# Altium PCB 3-as-manufactured.pcbdoc (part 1 of 12) (continued)
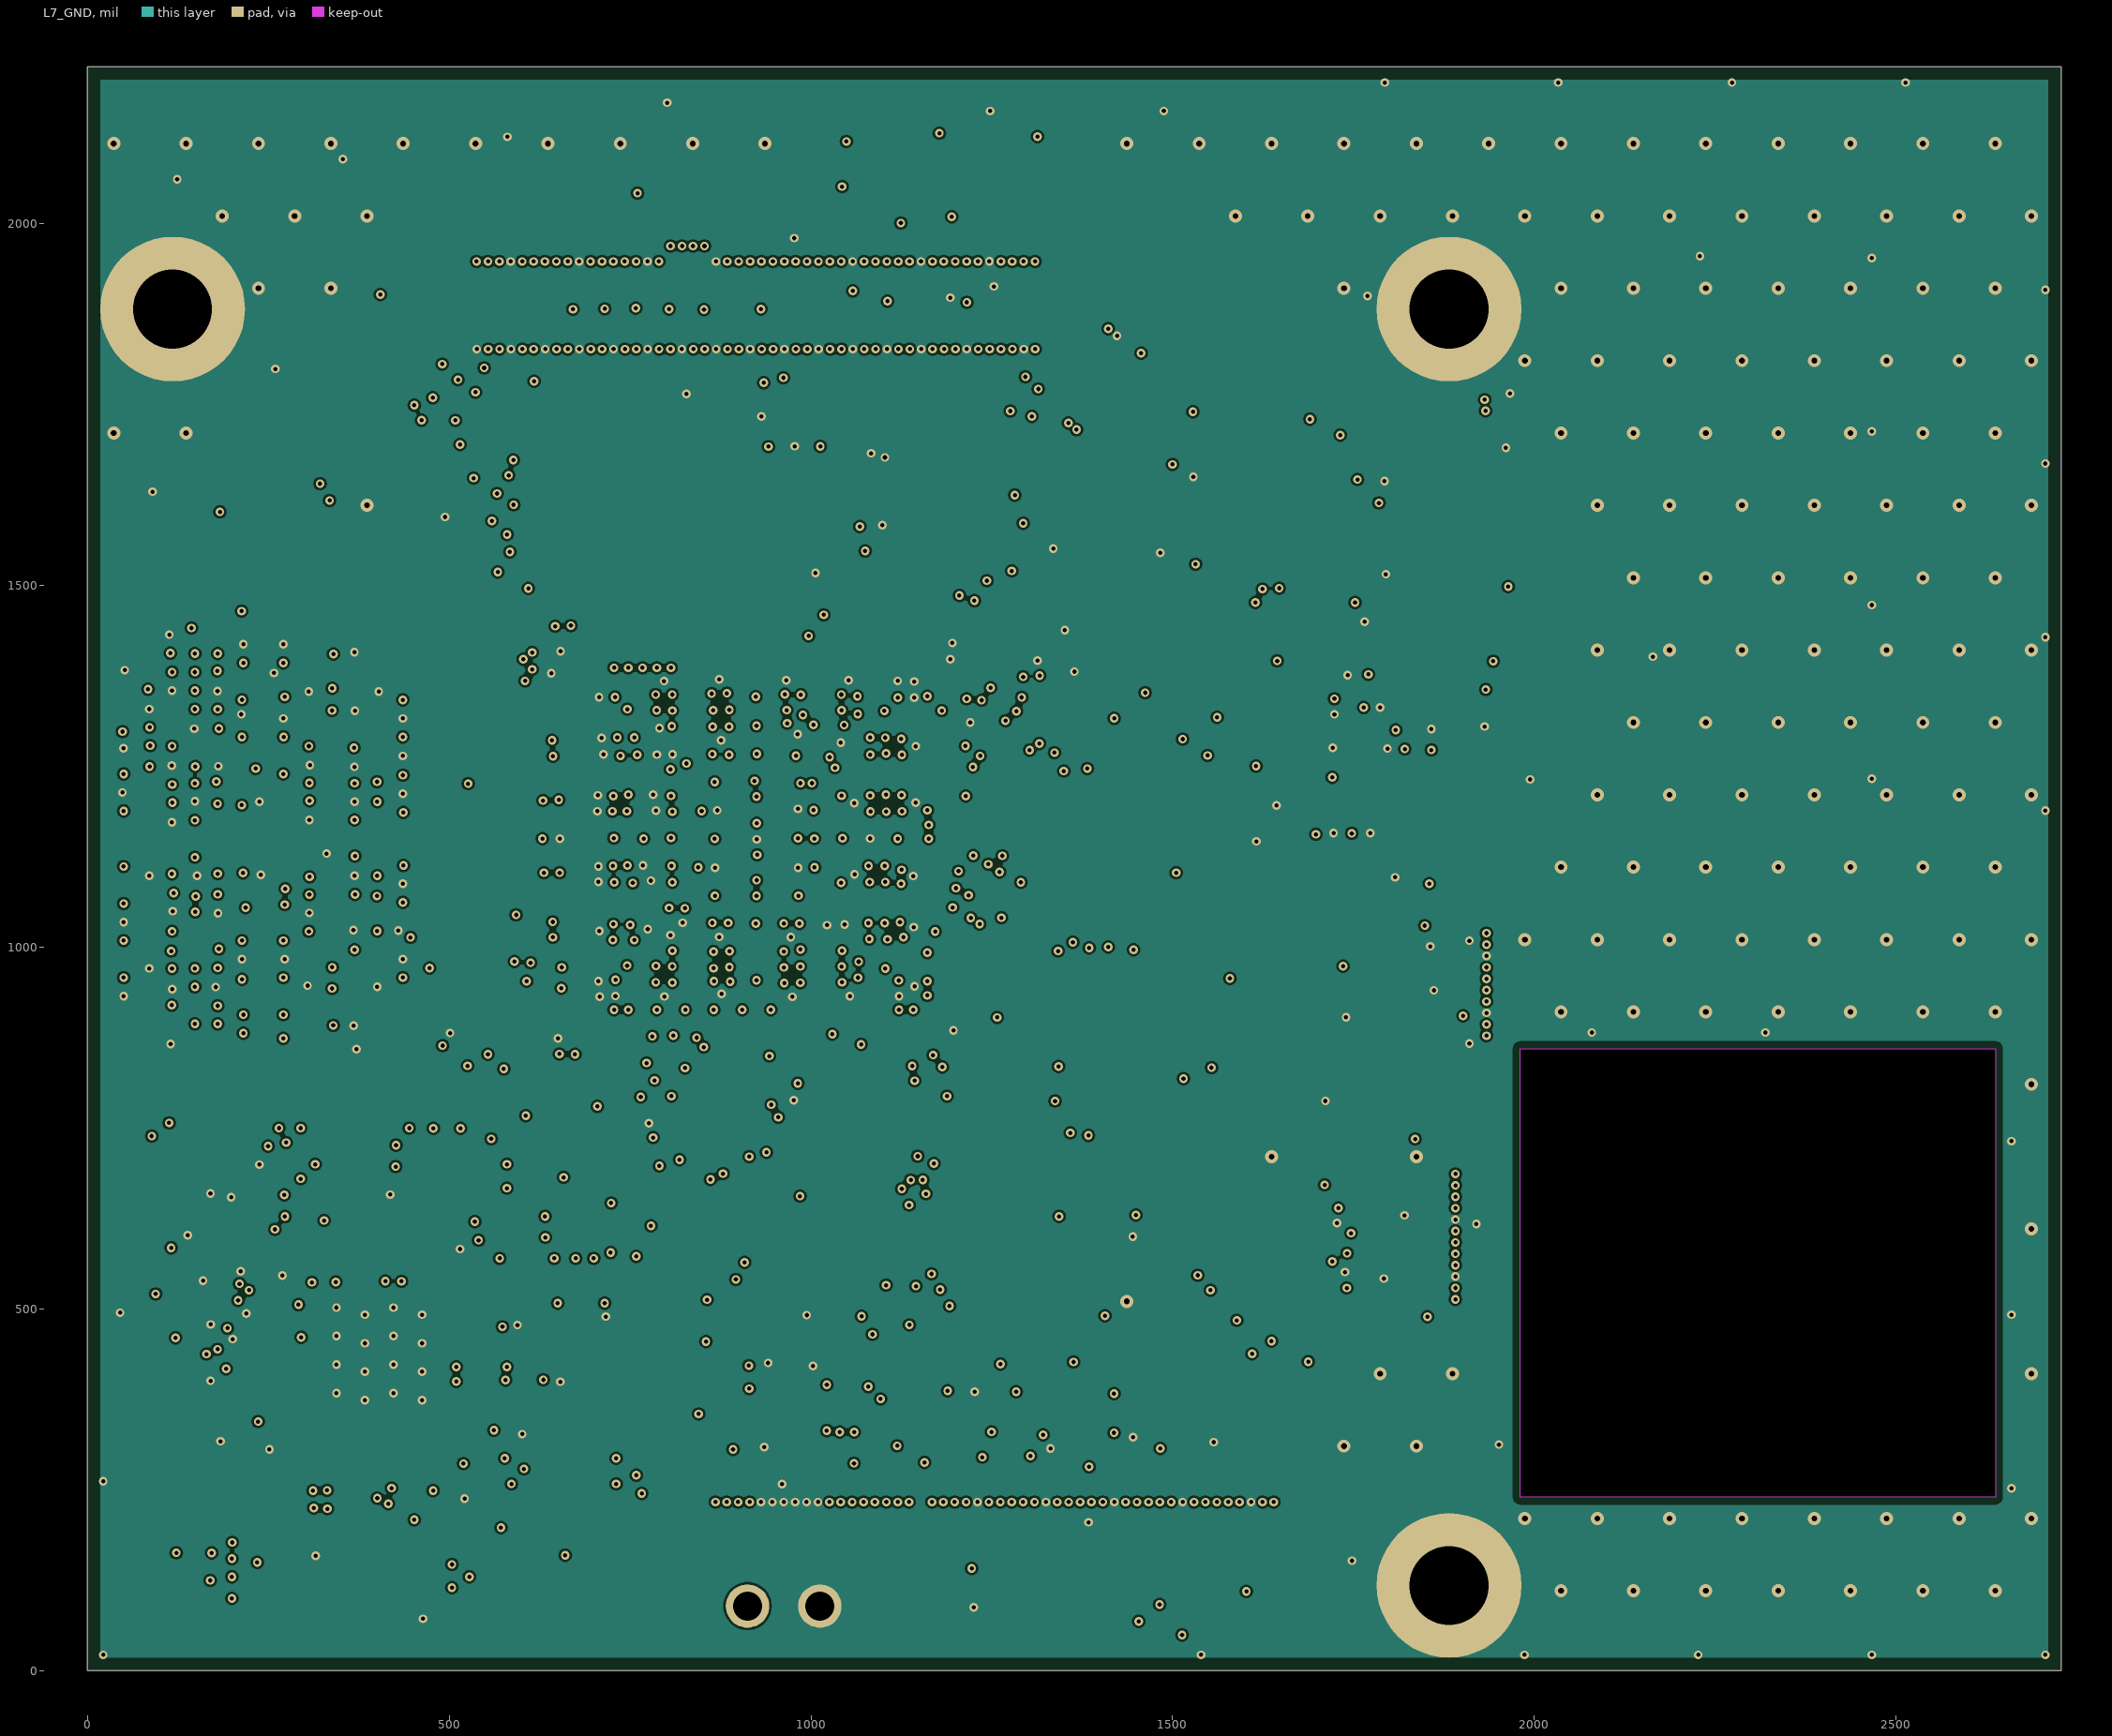
[diagram p7: L7_GND]
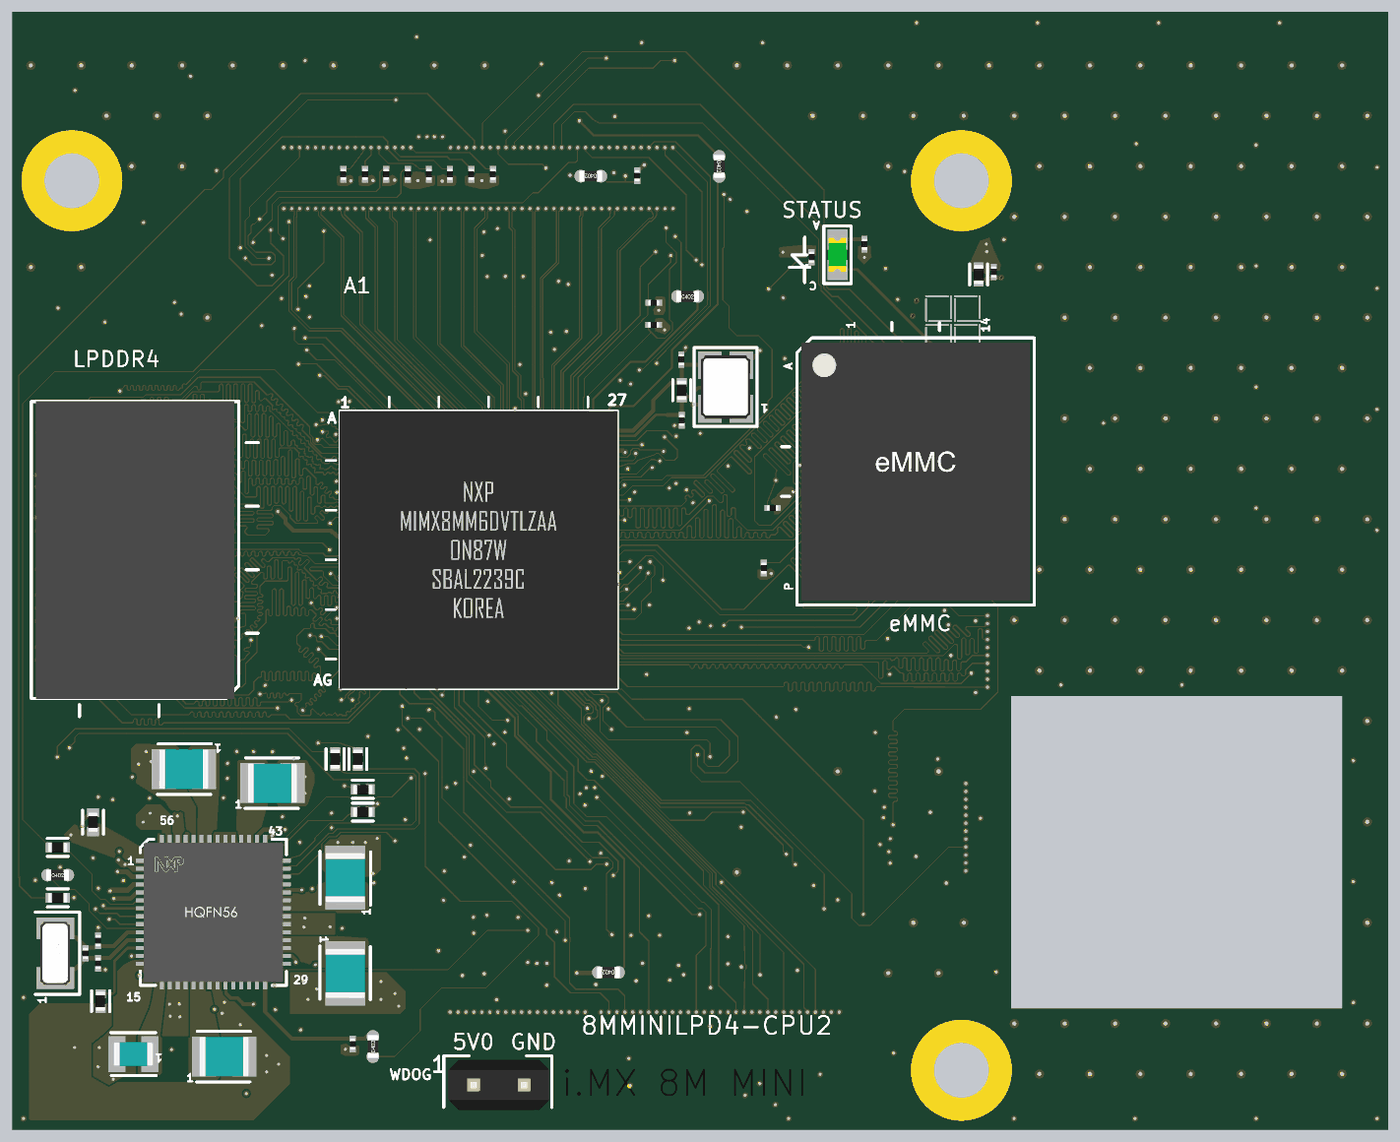
[diagram p19: 3D render of the assembled board from above, using the file's embedded part models]
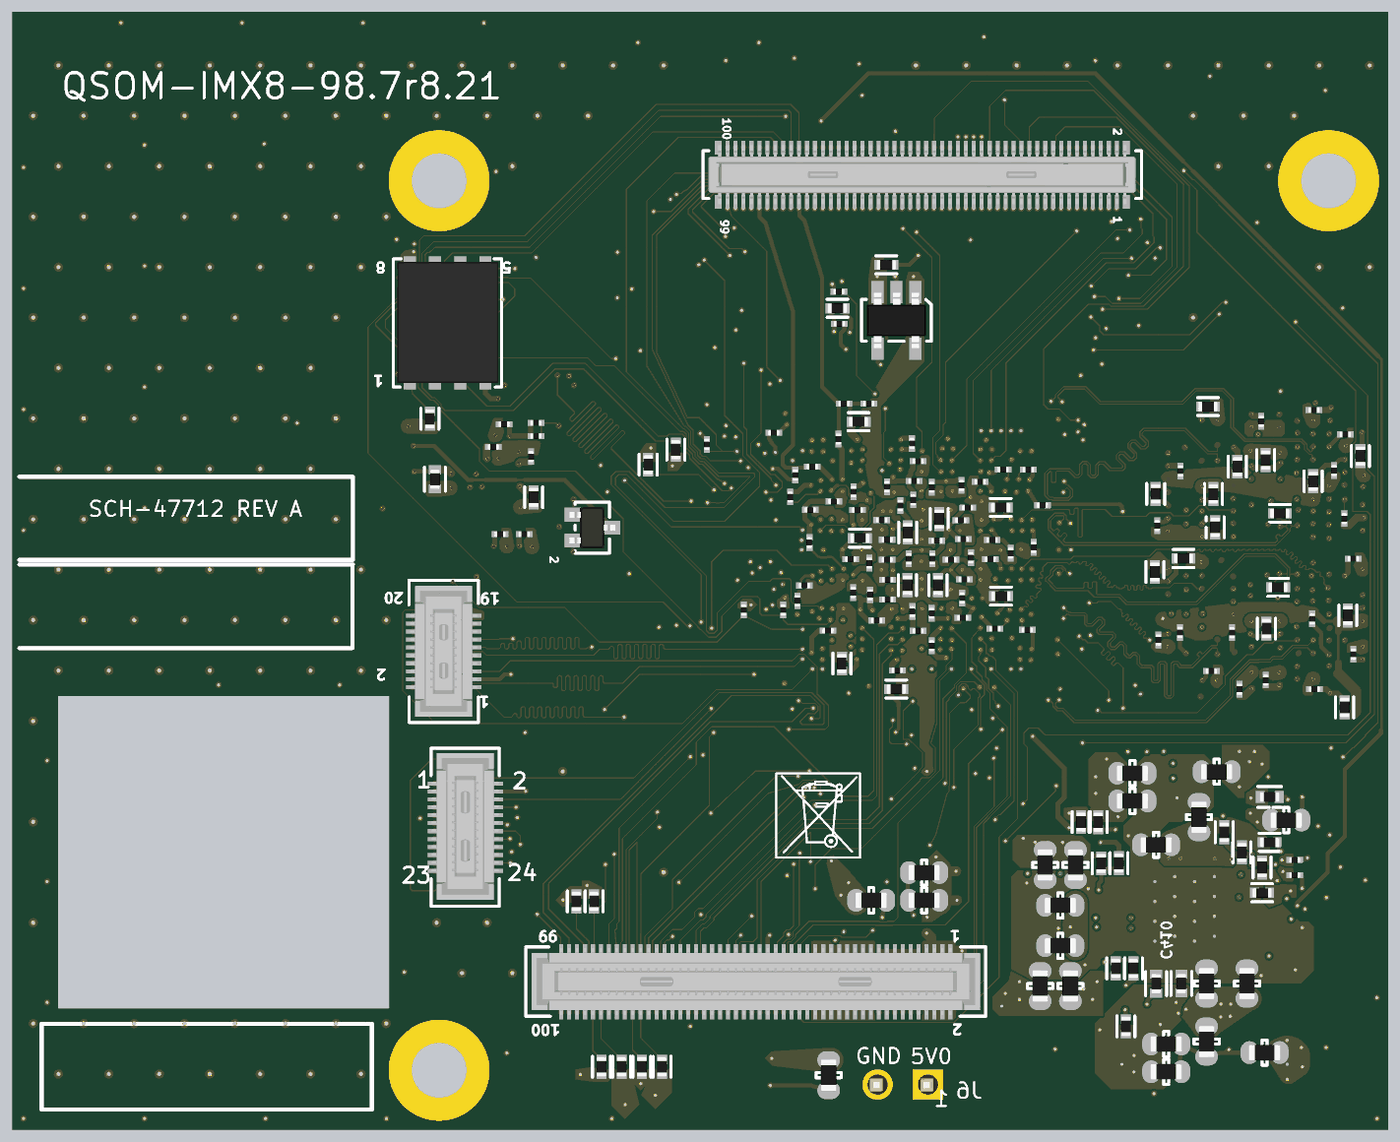
[diagram p20: 3D render of the assembled board from below, using the file's embedded part models]

## Layer stack, top to bottom
Top Solder: solder mask 0.6, Solder Mask, Dk 4.2
L1_TOP: signal copper 0.689
Dielectric 1: prepreg 1.76, VT47_1.9_106, Dk 3.5
L2_GND: signal copper 0.7
Dielectric2: core 4, VT47_4.0_1x2116, Dk 4.2
L3_INNER1: signal copper 0.7
Dielectric3: prepreg 1.76, VT47_1.9_106, Dk 3.5
L4_GND: signal copper 0.7
Dielectric4: core 28, VT47_28.0_4x7628, Dk 4.3
L5_PWR: signal copper 0.7
Dielectric 2: prepreg 1.76, VT47_1.9_106, Dk 3.5
L6_INNER2: signal copper 0.7
Dielectric 4: core 4, VT47_4.0_1x2116, Dk 4.2
L7_GND: signal copper 0.7
Dielectric 6: prepreg 1.76, VT47_1.9_106, Dk 3.5
L8_BOT: signal copper 0.689
Bottom Solder: solder mask 0.6, Solder Mask, Dk 4.2

## Board outline
0,0 0,2217 2728,2217 2728,0
cut-out: 1980,240 1980,860 2636.98,860 2636.98,240

## Design rules (kind name [scope] priority, off if disabled: settings)
BoardOutlineClearance [All] p1: gap=10 ignorepadtopadclearanceinfootprint=FALSE except(0: Arc-SplitContinuation Track-SplitContinuation SMDPad-SplitContinuation THPad-SplitContinuation Via-SplitContinuation Fill-SplitContinuation Poly-SplitContinuation Region-SplitContinuation Text-SplitContinuation; 18: Poly-OutlineEdge)
Clearance Clearance_Comp_Keepout [All vs IsKeepOut and InAnyComponent] p1: gap=0 ignorepadtopadclearanceinfootprint=FALSE
Clearance Clearance_2 [not (IsKeepOut and InAnyComponent) vs Not (InDifferentialPairClass('DDR_CK_DQS') or InDifferentialPairClass('PCIE'))] p2: gap=2 ignorepadtopadclearanceinfootprint=FALSE except(3.15: Arc-Fill Arc-Poly Arc-Region Track-Fill Track-Poly Track-Region SMDPad-Fill SMDPad-Poly SMDPad-Region THPad-Fill THPad-Poly THPad-Region Via-Fill Via-Poly Via-Region Fill-Fill Fill-Poly Fill-Region Poly-Poly Poly-Region Region-Region; 4: Arc-Hole Track-Hole SMDPad-Hole THPad-Hole Via-Hole Fill-Hole Poly-Hole Region-Hole Text-Hole)
Clearance [All] p3: gap=3 ignorepadtopadclearanceinfootprint=FALSE except(0: Arc-Text Track-Text SMDPad-Text THPad-Text Via-Text Fill-Text Poly-Text Region-Text Text-Text; 2: Arc-Arc Arc-Track Arc-SMDPad Arc-Via Track-Track Track-SMDPad Track-Via SMDPad-SMDPad SMDPad-Via; 5: Arc-Hole Track-Hole SMDPad-Hole THPad-Hole Via-Hole Fill-Hole Poly-Hole Region-Hole Text-Hole)
ComponentClearance [All] p1: gap=2 collisioncheckmode=3 verticalgap=10 showdistances=FALSE
DiffPairsRouting 90OHM_BGA [InDifferentialPairClass('DDR_CK_DQS')] p1: maxlimit=10 minlimit=2.5 mostfreqgap=10 toplayer_maxgap=2.5 toplayer_prefgap=2.5 toplayer_minwidth=2.3 toplayer_maxwidth=2.3 toplayer_prefwidth=2.3 bottomlayer_maxgap=2.5 bottomlayer_prefgap=2.5 bottomlayer_minwidth=2.3 bottomlayer_maxwidth=2.3 bottomlayer_prefwidth=2.3 impedanceprofiledriven=TRUE impedanceprofileid={C0DDFDE1-E91E-40A4-9B0B-A10CE0690490} impedanceprofilevalue=90.000000 maxuncoupledlength=300
DiffPairsRouting 85OHM_PHY [InDifferentialPairClass('PCIE')] p2: maxlimit=4.8 minlimit=2 mostfreqgap=4.8 toplayer_maxgap=2 toplayer_prefgap=2 toplayer_minwidth=2.5 toplayer_maxwidth=2.5 toplayer_prefwidth=2.5 midlayer2_mingap=2.5 midlayer2_maxgap=2.5 midlayer2_prefgap=2.5 midlayer2_minwidth=2 midlayer2_maxwidth=2 midlayer2_prefwidth=2 midlayer5_mingap=2.5 midlayer5_maxgap=2.5 midlayer5_prefgap=2.5 midlayer5_minwidth=2 midlayer5_maxwidth=2 midlayer5_prefwidth=2 bottomlayer_maxgap=2 bottomlayer_prefgap=2 bottomlayer_minwidth=2.5 bottomlayer_maxwidth=2.5 bottomlayer_prefwidth=2.5 impedanceprofiledriven=TRUE impedanceprofileid={2BEBE888-95F3-40C6-BA02-713B6AC5E73B} impedanceprofilevalue=85.000000 maxuncoupledlength=100
DiffPairsRouting 90OHM_USB [InDifferentialPairClass('USB')] p3: maxlimit=4.9 minlimit=2.5 mostfreqgap=4.9 toplayer_maxgap=2.5 toplayer_prefgap=2.5 toplayer_minwidth=2.5 toplayer_maxwidth=2.5 toplayer_prefwidth=2.5 midlayer2_mingap=3.5 midlayer2_maxgap=3.5 midlayer2_prefgap=3.5 midlayer2_minwidth=2 midlayer2_maxwidth=2 midlayer2_prefwidth=2 midlayer5_mingap=3.5 midlayer5_maxgap=3.5 midlayer5_prefgap=3.5 midlayer5_minwidth=2 midlayer5_maxwidth=2 midlayer5_prefwidth=2 bottomlayer_maxgap=2.5 bottomlayer_prefgap=2.5 bottomlayer_minwidth=2.5 bottomlayer_maxwidth=2.5 bottomlayer_prefwidth=2.5 impedanceprofiledriven=TRUE impedanceprofileid={2DCFC60B-3906-411B-BDD4-A35565995395} impedanceprofilevalue=90.000000 maxuncoupledlength=100
DiffPairsRouting 100OHM_MIPI [(InDifferentialPairClass('CSI') or InDifferentialPairClass('DSI'))] p4: maxlimit=10 minlimit=3 mostfreqgap=10 toplayer_maxgap=3 toplayer_prefgap=3 toplayer_minwidth=2.1 toplayer_maxwidth=2.1 toplayer_prefwidth=2.1 midlayer2_mingap=7 midlayer2_maxgap=7 midlayer2_prefgap=7 midlayer2_minwidth=2 midlayer2_maxwidth=2 midlayer2_prefwidth=2 midlayer5_mingap=7 midlayer5_maxgap=7 midlayer5_prefgap=7 midlayer5_minwidth=2 midlayer5_maxwidth=2 midlayer5_prefwidth=2 bottomlayer_maxgap=3 bottomlayer_prefgap=3 bottomlayer_minwidth=2.1 bottomlayer_maxwidth=2.1 bottomlayer_prefwidth=2.1 impedanceprofiledriven=TRUE impedanceprofileid={75F87151-9B91-460F-9FD8-60CCF3C5DB55} impedanceprofilevalue=100.000000 maxuncoupledlength=100
DiffPairsRouting [All] p5: maxlimit=10 minlimit=3 mostfreqgap=10 toplayer_maxgap=3 toplayer_prefgap=3 toplayer_minwidth=2.1 toplayer_maxwidth=2.1 toplayer_prefwidth=2.1 midlayer2_mingap=7 midlayer2_maxgap=7 midlayer2_prefgap=7 midlayer2_minwidth=2 midlayer2_maxwidth=2 midlayer2_prefwidth=2 midlayer5_mingap=7 midlayer5_maxgap=7 midlayer5_prefgap=7 midlayer5_minwidth=2 midlayer5_maxwidth=2 midlayer5_prefwidth=2 bottomlayer_maxgap=3 bottomlayer_prefgap=3 bottomlayer_minwidth=2.1 bottomlayer_maxwidth=2.1 bottomlayer_prefwidth=2.1 impedanceprofiledriven=TRUE impedanceprofileid={75F87151-9B91-460F-9FD8-60CCF3C5DB55} impedanceprofilevalue=100.000000 maxuncoupledlength=100
HoleSize [All] p1: absolutevalues=TRUE maxlimit=200 minlimit=5.9 maxpercent=80.000 minpercent=20.000
HoleToHoleClearance [All] p1: gap=5 allowstackedmicrovias=TRUE
Length "Schematic Length Constraint_2" [InDifferentialPairClass('DDR_CK_DQS')] p1: maxlimit=100000 minlimit=0 usedelayunits=TRUE mindelay=0.000000 maxdelay=200.000000
MatchedLengths ETH [InNetClass('ETH')] p1: tolerance=200 checknetsindiffpair=FALSE checkdiffpairvsdiffpair=TRUE checkxsignals=TRUE checkothers=TRUE
MatchedLengths DiffPairs [InxSignalClass('DRAMA_DQS_to_CK') or InxSignalClass('DRAMb_DQS_to_CK')] p2 off: tolerance=1000 checknetsindiffpair=TRUE checkdiffpairvsdiffpair=FALSE checkxsignals=FALSE checkothers=FALSE usedelayunits=TRUE delaytolerance=1.000000
MatchedLengths DRAMA_CK [InxSignalClass('DDRCLK')] p3: tolerance=1000 checknetsindiffpair=TRUE checkdiffpairvsdiffpair=FALSE checkxsignals=FALSE checkothers=FALSE usedelayunits=TRUE delaytolerance=2.000000
MatchedLengths DRAMA_DQ [InxSignalClass('DRAMA_DQS')] p4: tolerance=1000 checknetsindiffpair=FALSE checkdiffpairvsdiffpair=TRUE checkxsignals=TRUE checkothers=TRUE usedelayunits=TRUE delaytolerance=10.000000 targetsourcename=DRAMA_SDQS1_T_PP1
MatchedLengths DRAMB_DQ [InxSignalClass('DRAMB_DQS')] p5: tolerance=1000 checknetsindiffpair=FALSE checkdiffpairvsdiffpair=TRUE checkxsignals=TRUE checkothers=TRUE usedelayunits=TRUE delaytolerance=10.000000 targetsourcename=DRAMB_SDQS0_T_PP1
MatchedLengths DRAMA_DQS_to_CK [InxSignalClass('DRAMA_DQS_to_CK')] p6: tolerance=1000 checknetsindiffpair=FALSE checkdiffpairvsdiffpair=TRUE checkxsignals=TRUE checkothers=TRUE usedelayunits=TRUE delaytolerance=85.000000 targetsourcename=DRAMA_CK_C_PP1
MatchedLengths DRAMB_DQS_to_CK [InxSignalClass('DRAMB_DQS_to_CK')] p7: tolerance=1000 checknetsindiffpair=FALSE checkdiffpairvsdiffpair=TRUE checkxsignals=TRUE checkothers=TRUE usedelayunits=TRUE delaytolerance=85.000000 targetsourcename=DRAMB_CK_C_PP1
MatchedLengths DRAMA_CA [InxSignalClass('DRAMA_CA')] p8: tolerance=1000 checknetsindiffpair=FALSE checkdiffpairvsdiffpair=TRUE checkxsignals=TRUE checkothers=TRUE usedelayunits=TRUE delaytolerance=25.000000 targetsourcename=DRAMA_CK_C_PP1
MatchedLengths DRAMB_CA [InxSignalClass('DRAMB_CA')] p9: tolerance=1000 checknetsindiffpair=FALSE checkdiffpairvsdiffpair=TRUE checkxsignals=TRUE checkothers=TRUE usedelayunits=TRUE delaytolerance=25.000000 targetsourcename=DRAMB_CK_T_PP1
MatchedLengths QSPI [InNetClass('QSPI')] p10: tolerance=200 checknetsindiffpair=FALSE checkdiffpairvsdiffpair=TRUE checkxsignals=TRUE checkothers=TRUE usedelayunits=TRUE delaytolerance=100.000000
MatchedLengths EMMC [InxSignalClass('EMMC')] p11: tolerance=200 checknetsindiffpair=FALSE checkdiffpairvsdiffpair=TRUE checkxsignals=TRUE checkothers=TRUE
MinimumAnnularRing [All] p1: minimumring=2
MinimumSolderMaskSliver [All] p1: minsoldermaskwidth=4
PlaneConnect [All] p1: planeconnectstyle=Direct reliefexpansion=20 reliefentries=4 reliefconductorwidth=10 reliefairgap=10
PolygonConnect [All] p1: thpad.connectstyle=Relief thpad.reliefconductorwidth=5 thpad.reliefentries=4 thpad.polygonreliefangle="45 Angle" thpad.airgapwidth=10 thpad.conductorbypadedge=TRUE thpad.mindistance=15 thpad.enablemindistance=FALSE smdpad.connectstyle=Direct smdpad.reliefconductorwidth=10 smdpad.reliefentries=4 smdpad.polygonreliefangle="90 Angle" smdpad.airgapwidth=10 via.connectstyle=Direct via.reliefconductorwidth=10 via.reliefentries=4 via.polygonreliefangle="90 Angle" via.airgapwidth=10
RoomDefinition CPU [InComponentClass('CPU')] p1: confinementstyle=ConfineIn formatcopy=TRUE lockcomponents=FALSE outline -11563.35,-8289.41 -9563.35,-8289.41 -9563.35,-7289.41 -11563.35,-7289.41
RoomDefinition "Page12 PMIC" [InComponentClass('Page12 PMIC')] p2: confinementstyle=ConfineIn formatcopy=TRUE lockcomponents=FALSE outline -11543.35,-8274.41 -9863.35,-8274.41 -9863.35,-6329.41 -11543.35,-6329.41
RoomDefinition "Page09 eMMC_QSPI" [InComponentClass('Page09 eMMC_QSPI')] p3: confinementstyle=ConfineIn formatcopy=TRUE lockcomponents=FALSE outline -10193.35,-7379.41 -8878.35,-7379.41 -8878.35,-6534.41 -10193.35,-6534.41
RoomDefinition "Page05 LPDDR4" [InComponentClass('Page05 LPDDR4')] p4: confinementstyle=ConfineIn formatcopy=TRUE lockcomponents=FALSE outline -11653.35,-7574.41 -10338.35,-7574.41 -10338.35,-6719.41 -11653.35,-6719.41
RoutingVias [All] p1: holewidth=5.9 width=12 viastyle="Through Hole" minholewidth=5.9 minwidth=12 maxholewidth=28 maxwidth=50
SilkToSilkClearance [All] p1: silktosilkclearance=0.1
SilkToSolderMaskClearance [IsPad] p1: minsilkscreentomaskgap=0.1 clearancetoexposedcopper=TRUE
SolderMaskExpansion Vias [IsVia and Not IsTestpoint] p1: expansion=0 istentingtop=TRUE
SolderMaskExpansion [All] p2: expansion=0 istentingtop=FALSE
SupplyNets "Schematic Supply Nets_18" [InNet('VDD_DRAM&PU_0V9')] p1: voltage=900.0m
SupplyNets "Schematic Supply Nets_17" [InNet('VDD_ARM_0V9')] p2: voltage=900.0m
SupplyNets "Schematic Supply Nets_16" [InNet('VDD_PHY_0V9')] p3: voltage=900.0m
SupplyNets "Schematic Supply Nets_15" [InNet('VDD_SOC_0V8')] p4: voltage=800.0m
SupplyNets "Schematic Supply Nets_14" [InNet('VDD_SNVS_0V8')] p5: voltage=800.0m
SupplyNets "Schematic Supply Nets_13" [InNet('VSYS_5V')] p6: voltage=5.000
SupplyNets "Schematic Supply Nets_12" [InNet('SWOUT_3V3')] p7: voltage=3.300
SupplyNets "Schematic Supply Nets_11" [InNet('VDD_3V3')] p8: voltage=3.300
SupplyNets "Schematic Supply Nets_10" [InNet('NVCC_SD2')] p9: voltage=3.300
SupplyNets "Schematic Supply Nets_9" [InNet('USB1_VBUS')] p10: voltage=3.300
SupplyNets "Schematic Supply Nets_8" [InNet('NVCC_ENET')] p11: voltage=3.300
SupplyNets "Schematic Supply Nets_7" [InNet('USB2_VBUS')] p12: voltage=3.300
SupplyNets "Schematic Supply Nets_6" [InNet('NVCC_SNVS_1V8')] p13: voltage=1.800
SupplyNets "Schematic Supply Nets_5" [InNet('VDD_1V8')] p14: voltage=1.800
SupplyNets "Schematic Supply Nets_4" [InNet('WIFI_1V8')] p15: voltage=1.800
SupplyNets "Schematic Supply Nets_3" [InNet('VDDA_1V8')] p16: voltage=1.800
SupplyNets "Schematic Supply Nets_2" [InNet('VDD_PHY_1V2')] p17: voltage=1.200
SupplyNets "Schematic Supply Nets_1" [InNet('NVCC_DRAM_1V1')] p18: voltage=1.100
SupplyNets "Schematic Supply Nets" [InNet('GND')] p19: voltage=0.000
Width Width_50 [InNetClass('SE_50_OHM')] p1: maxlimit=10 minlimit=2 preferedwidth=10 toplayer_maxwidth=3 toplayer_prefwidth=2.2 midlayer2_maxwidth=3 midlayer2_prefwidth=2.2 midlayer5_maxwidth=3 midlayer5_prefwidth=2.2 bottomlayer_maxwidth=3 bottomlayer_prefwidth=2.2 minimp=50.000000 maximp=50.000000 favimp=50.000000
Width [All] p2: maxlimit=1000 minlimit=2 preferedwidth=2
22 further rules are at their usual default settings.

## Classes and differential pairs
differential pair class DRAMB_DQS: DRAMB_SDQS0 DRAMB_SDQS1
differential pair class DRAMA_DQS: DRAMA_SDQS0 DRAMA_SDQS1
net class SE_50_OHM: CLKIN1 CLKIN2 CLKOUT1 CLKOUT2 DRAM_NRESET DRAMA_CA0 DRAMA_CA1 DRAMA_CA2 DRAMA_CA3 DRAMA_CA4 DRAMA_CA5 DRAMA_CKE0 DRAMA_CKE1 DRAMA_DATA0 DRAMA_DATA1 DRAMA_DATA2 DRAMA_DATA3 DRAMA_DATA4 DRAMA_DATA5 DRAMA_DATA6 DRAMA_DATA7 DRAMA_DATA8 DRAMA_DATA9 DRAMA_DATA10 DRAMA_DATA11 DRAMA_DATA12 DRAMA_DATA13 DRAMA_DATA14 DRAMA_DATA15 DRAMA_DMI0 DRAMA_DMI1 DRAMA_nCS0 DRAMA_nCS1 DRAMB_CA0 DRAMB_CA1 DRAMB_CA2 DRAMB_CA3 DRAMB_CA4 DRAMB_CA5 DRAMB_CKE0 DRAMB_CKE1 DRAMB_DATA0 DRAMB_DATA1 DRAMB_DATA2 DRAMB_DATA3 DRAMB_DATA4 DRAMB_DATA5 DRAMB_DATA6 DRAMB_DATA7 DRAMB_DATA8 DRAMB_DATA9 DRAMB_DATA10 DRAMB_DATA11 DRAMB_DATA12 DRAMB_DATA13 DRAMB_DATA14 DRAMB_DATA15 DRAMB_DMI0 DRAMB_DMI1 DRAMB_nCS0 DRAMB_nCS1 ECSPI2_MISO ECSPI2_MOSI ECSPI2_SCLK ECSPI2_SS0 ENET_MDC ENET_MDIO ENET_RD0 ENET_RD1 ENET_RD2 ENET_RD3 ENET_RX_CTL ENET_RXC ENET_TD0 ENET_TD1 ENET_TD2 ENET_TD3 ENET_TX_CTL ENET_TXC PDM_CLK PDM_DATA0 PDM_DATA1 PDM_DATA2 PDM_DATA3 QSPIA_DATA0 QSPIA_DATA1 QSPIA_DATA2 QSPIA_DATA3 QSPIA_NSS0 QSPIA_SCLK SAI1_MCLK SAI1_RXC SAI1_RXD0 SAI1_RXD1 SAI1_RXD2 SAI1_RXD3 SAI1_RXD4 SAI1_RXD5 SAI1_RXD6 SAI1_RXD7 SAI1_RXFS SAI1_TXC SAI1_TXD0 SAI1_TXD1 SAI1_TXD2 SAI1_TXD3 SAI1_TXD4 SAI1_TXD5 SAI1_TXD6 SAI1_TXD7 SAI1_TXFS SAI2_MCLK SAI2_RXC SAI2_RXD SAI2_RXFS SAI2_TXC SAI2_TXD SAI2_TXFS SAI3_MCLK SAI3_RXC SAI3_RXD SAI3_RXFS SAI3_TXC SAI3_TXD SAI3_TXFS SAI5_MCLK SAI5_RXFS SD1_CLK SD1_CMD SD1_DATA0 SD1_DATA1 SD1_DATA2 SD1_DATA3 SD1_STROBE SD2_CLK SD2_CMD SD2_DATA0 SD2_DATA1 SD2_DATA2 SD2_DATA3 SD2_NCD SD2_NRST SD2_VSEL SD2_WP SD3_CLK SD3_CMD SD3_DATA0 SD3_DATA1 SD3_DATA2 SD3_DATA3 SD3_DATA4 SD3_DATA5 SD3_DATA6 SD3_DATA7 SD3_STROBE SPDIF_EXT_CLK SPDIF_RX SPDIF_TX
differential pair class USB: USB1 USB2
component class CPU: U1
differential pair class PCIE: PCIE_CLK PCIE_RX PCIE_TX
differential pair class DSI: DSI_CK DSI_D0 DSI_D1 DSI_D2 DSI_D3
differential pair class DDR_CK_DQS: DRAMA_CK DRAMA_SDQS0 DRAMA_SDQS1 DRAMB_CK DRAMB_SDQS0 DRAMB_SDQS1
differential pair class CSI: CSI_CK CSI_D0 CSI_D1 CSI_D2 CSI_D3
net class UART: UART1_CTS UART1_RTS UART1_RXD UART1_TXD UART2_RXD UART2_TXD UART3_CTS UART3_RTS UART3_RXD UART3_TXD UART4_RXD UART4_TXD
net class SD2: SD2_CLK SD2_CMD SD2_DATA0 SD2_DATA1 SD2_DATA2 SD2_DATA3 SD2_nCD SD2_nRST SD2_WP
net class SD1: BT_WAKE_DEV BT_WAKE_HOST SD1_CLK SD1_CMD SD1_DATA0 SD1_DATA1 SD1_DATA2 SD1_DATA3 SD1_STROBE WL_REG_ON WL_WAKE_DEV WL_WAKE_HOST
net class QSPI: QSPIA_DATA0 QSPIA_DATA1 QSPIA_DATA2 QSPIA_DATA3 QSPIA_nSS0 QSPIA_SCLK
net class POWER: GND NVCC_DRAM_1V1 NVCC_ENET NVCC_SD2 NVCC_SNVS_1V8 SWOUT_3V3 USB1_VBUS USB2_VBUS VDD_1V8 VDD_3V3 VDD_ARM_0V9 VDD_DRAM&PU_0V9 VDD_PHY_0V9 VDD_PHY_1V2 VDD_SNVS_0V8 VDD_SOC_0V8 VDDA_1V8 VSYS_5V
net class NAND: QSPIA_DATA0 QSPIA_DATA1 QSPIA_DATA2 QSPIA_DATA3 QSPIA_nSS0 QSPIA_SCLK SD3_CLK SD3_CMD SD3_DATA0 SD3_DATA1 SD3_DATA2 SD3_DATA3 SD3_DATA4 SD3_DATA5 SD3_DATA6 SD3_DATA7 SD3_STROBE SYS_STATUS
net class I2C: I2C1_SCL I2C1_SDA I2C2_SCL I2C2_SDA I2C3_SCL I2C3_SDA I2C4_SCL I2C4_SDA
net class ETH: ENET_MDC ENET_MDIO ENET_RD0 ENET_RD1 ENET_RD2 ENET_RD3 ENET_RX_CTL ENET_RXC ENET_TD0 ENET_TD1 ENET_TD2 ENET_TD3 ENET_TX_CTL ENET_TXC
net class EMMC_SD3: SD3_CLK SD3_CMD SD3_DATA0 SD3_DATA1 SD3_DATA2 SD3_DATA3 SD3_DATA4 SD3_DATA5 SD3_DATA6 SD3_DATA7
net class DRAMB_CA: DRAMB_CA0 DRAMB_CA1 DRAMB_CA2 DRAMB_CA3 DRAMB_CA4 DRAMB_CA5 DRAMB_CK_C DRAMB_CK_T DRAMB_CKE0 DRAMB_CKE1 DRAMB_nCS0 DRAMB_nCS1
net class DRAMA_CA: DRAMA_CA0 DRAMA_CA1 DRAMA_CA2 DRAMA_CA3 DRAMA_CA4 DRAMA_CA5 DRAMA_CK_C DRAMA_CK_T DRAMA_CKE0 DRAMA_CKE1 DRAMA_nCS0 DRAMA_nCS1
net class DRAM_BYTE3: DRAMA_DATA0 DRAMA_DATA1 DRAMA_DATA2 DRAMA_DATA3 DRAMA_DATA4 DRAMA_DATA5 DRAMA_DATA6 DRAMA_DATA7 DRAMA_DMI0 DRAMA_SDQS0_C DRAMA_SDQS0_T
net class DRAM_BYTE2: DRAMA_DATA8 DRAMA_DATA9 DRAMA_DATA10 DRAMA_DATA11 DRAMA_DATA12 DRAMA_DATA13 DRAMA_DATA14 DRAMA_DATA15 DRAMA_DMI1 DRAMA_SDQS1_C DRAMA_SDQS1_T
net class DRAM_BYTE1: DRAMB_DATA8 DRAMB_DATA9 DRAMB_DATA10 DRAMB_DATA11 DRAMB_DATA12 DRAMB_DATA13 DRAMB_DATA14 DRAMB_DATA15 DRAMB_DMI1 DRAMB_SDQS1_C DRAMB_SDQS1_T
net class DRAM_BYTE0: DRAMB_DATA0 DRAMB_DATA1 DRAMB_DATA2 DRAMB_DATA3 DRAMB_DATA4 DRAMB_DATA5 DRAMB_DATA6 DRAMB_DATA7 DRAMB_DMI0 DRAMB_SDQS0_C DRAMB_SDQS0_T
component class "Page13 SOM Interface": BH1 BH2 BH3 C2 C401 C402 C403 C404 J4 J5 J7 J8 R116
component class "Page12 PMIC": C10 C11 C12 C13 C275 C279 C281 C283 C285 C287 C295 C298 C299 C301 C303 C304 C306 C307 C311 C312 C316 C317 C323 C324 C333 C337 C360 C363 C365 C406 C407 C408 C410 J6 L5 L6 L10 L11 L13 L15 QZ2 R48 R51 R52 R54 R55 R57 R106 R111 R114 R127 R140 R141 R142 R143 R144 R145 R146 U8 U10
component class "Page11 BOOT_CFG": R47 R71 R72 R75 R76 R79 R95 R97
component class "Page09 eMMC_QSPI": C127 C128 C129 C130 C131 C132 C133 C136 C137 C138 C139 R37 R117 R118 U4 U5
component class "Page08 CPU MISC": C123 C124 R18 R20 R21 R23 R26 R100 R102 R103 R113 R134 R135 Y1
component class "Page07 CPU PHY": C393 C394 R28 R29 R30 R108 R109
component class "Page06 CPU IO": C245 D1 Q1 R10 R11 R12 R13 R14 R15 R16 R17 R119 R120 R125 R133
component class "Page05 LPDDR4": C105 C106 C108 C109 C110 C111 C112 C113 C114 C115 C117 C118 C119 C370 C371 C372 C373 C374 C375 C376 C378 C379 C380 C381 C382 C384 R4 R5 R6 R7 R8 R9 R121 R122 R123 R124 U1 U2
component class "Page04 CPU PWR": C1 C3 C5 C6 C8 C9 C15 C16 C17 C20 C21 C23 C30 C33 C35 C36 C48 C54 C55 C61 C65 C74 C78 C88 C89 C90 C91 C92 C93 C94 C95 C99 C100 C101 C104 C234 C235 C241 C244 C247 C248 C251 C253 C254 C255 C256 C260 C264 C265 C266 C267 C268 C391 C392 C400 C405